# KiCad board e-verest.kicad_pcb (continued)
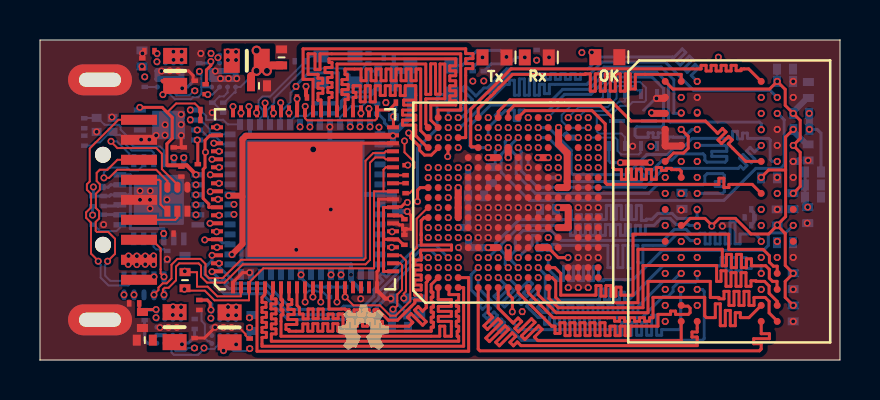
[diagram p0: board, top side]
## Routing (per net, layer and track width the routed paths; a pad name or vN(x,y) marks a point on that pad's centre or on a via; arc(x,y) is an arc through that point) (continued)
DRAM_DU5: length 20.1
  Top Layer w0.15: U2.F18 21.91,12.56 22.54,13.2 22.55,13.19 22.73,13.37 22.72,13.37 23.63,14.28 27.26,14.28 27.26,14.3 27.51,14.3 27.51,13.44 27.76,13.44 27.76,14.3 28.01,14.3 28.01,13.44 28.26,13.44 28.26,14.3 28.51,14.3 28.51,13.44 28.76,13.44 28.76,14.3 29.01,14.3 29.01,13.44 29.26,13.44 29.26,14.3 29.51,14.3 29.51,13.55 29.76,13.55 29.76,14.28 32.06,14.28 U1.A2
DRAM_DU6: length 20.1
  Bottom Layer w0.15: v1(36.86,13.13) 36.51,13.48 32.68,13.48 31.26,14.9 28.1,14.9 27.5,14.3 27.02,14.3 27.02,14.03 26.77,14.03 26.77,14.31 26.52,14.31 26.52,14.03 26.27,14.03 26.27,14.31 26.02,14.31 26.02,14.03 25.77,14.03 25.77,14.31 25.52,14.31 25.52,14.03 25.27,14.03 25.27,14.31 25.02,14.31 25.02,14.3 23.43,14.3 22.48,13.35 22.31,13.35 21.12,12.16 20.95,12.16 v1(20.91,12.12)
DRAM_DU7: length 20.1
  Bottom Layer w0.15: v1(32.86,13.93) 32.56,14.23 32.94,14.6 32.76,14.78 32.36,14.39 32.19,14.56 32.65,15.02 32.47,15.2 32.01,14.74 31.83,14.92 32.29,15.38 32.12,15.55 31.68,15.11 31.64,15.15 27.99,15.15 27.41,14.56 23.58,14.56 23.57,14.55 23.33,14.55 22.38,13.6 22.2,13.6 21.8,13.2 21.27,13.73 21.09,13.55 21.63,13.02 21.45,12.84 21.27,13.02 21.09,12.84 21.26,12.67 21.06,12.47 20.41,12.47 v1(20.41,12.12)
FT_BE0: length 18
  Top Layer w0.15: 10.86,3.62 U7.4 10.85,0.44 21.43,0.44 21.43,4.12 U2.D2
FT_BE1: length 18
  Top Layer w0.15: U2.D1 21.18,3.62 21.18,0.69 11.1,0.69 11.1,1.13 11.32,1.13 11.32,1.38 11.1,1.38 11.1,1.63 11.32,1.63 11.32,1.88 11.1,1.88 11.1,2.13 11.32,2.13 11.32,2.38 11.1,2.38 11.1,2.63 11.3,2.63 11.3,2.88 11.1,2.88 11.1,3.13 11.24,3.27 11.24,3.63 U7.5
FT_BE2: length 18
  Top Layer w0.15: U7.6 11.64,3.63 11.64,3.24 11.57,3.17 11.57,3.05 11.8,3.05 11.8,2.8 11.55,2.8 11.55,2.55 11.8,2.55 11.8,2.3 11.57,2.3 11.57,2.05 11.8,2.05 11.8,1.8 11.57,1.8 11.57,1.55 11.8,1.55 11.8,1.3 11.57,1.3 11.57,0.94 20.93,0.94 20.93,1.19 20.86,1.19 20.86,1.44 20.93,1.44 20.93,1.69 20.82,1.69 20.82,1.94 20.93,1.94 20.93,2.19 20.82,2.19 20.82,2.44 20.93,2.44 20.93,2.69 20.82,2.69 20.82,2.94 20.93,2.94 20.93,3.27 20.45,3.27 20.45,3.58 U2.C1
FT_BE3: length 18
  Top Layer w0.15: U2.B1 19.91,3.02 20.57,3.02 20.57,2.68 19.92,2.68 19.92,2.43 20.57,2.43 20.57,2.18 19.92,2.18 19.92,1.93 20.57,1.93 20.57,1.19 20.24,1.19 20.24,1.69 19.99,1.69 19.99,1.19 12.05,1.19 12.05,2.25 12.14,2.25 12.14,2.5 12.05,2.5 12.05,2.75 12.13,2.75 12.13,3 12.05,3 U7.7
FT_CLK: length 16.6
  Top Layer w0.15: U7.58 8.85,11.64
  InLayer2 (Signal) w0.15: v1(19.91,9.12) 19.41,8.62 18.19,8.62 17.74,8.18 17.74,7.51 17.08,7.51 16.41,6.83 14.1,6.83 13.84,7.09 13.9,7.14 13.72,7.32 13.49,7.09 13.32,7.27 13.56,7.51 13.38,7.69 13.14,7.45 12.96,7.62 13.21,7.87 13.03,8.04 12.79,7.8 12.61,7.98 12.85,8.22 12.68,8.4 12.61,8.33 11.55,9.38 11.21,9.38 8.94,11.64 v1(8.85,11.64)
FT_D0: length 16.2
  Top Layer w0.15: U2.C15 20.4,10.61 20.4,10.18 v1(20.38,10.17)
  InLayer3 (PWR) w0.15: 16.45,12.56 16.49,12.52 18.02,12.52 18.12,12.41 18.82,13.11 19,12.94 17.97,11.9 18.14,11.73 19.18,12.76 19.35,12.58 18.52,11.76 18.7,11.58 19.53,12.41 19.71,12.23 18.81,11.33 18.98,11.15 19.88,12.05 20.06,11.88 19.03,10.84 19.2,10.67 19.54,11 19.71,10.82 19.69,10.8 19.87,10.62 19.89,10.65 20.37,10.17 v1(20.38,10.17)
  vias: v1(16.45,12.56)
FT_D1: length 16.3
  Top Layer w0.15: 18.42,11.35 18.42,11.29 18.44,11.29 18.54,11.2 18.54,11.13 18.54,11.13 18.54,11.11 18.98,10.67 18.98,10.49 19.22,10.25 19.57,10.25 19.93,10.6
  InLayer3 (PWR) w0.15: v1(18.44,11.35) 18.74,11.05 18.74,9.3 17.29,9.3 17.29,9.59 16.9,9.59 16.9,9.84 18.04,9.84 18.04,10.09 16.9,10.09 16.9,10.34 18.44,10.34 18.44,10.59 16.9,10.59 16.9,10.84 17.3,10.84 17.3,11.09 17.29,11.09 17.29,12.21 16.21,12.21 16.08,12.34 v1(16.05,12.34)
FT_D2: length 18
  Top Layer w0.15: U2.A15 19.38,10.62 18.79,11.21 18.79,11.75 18.12,11.75 18.12,12 18.79,12 18.79,12.25 18.13,12.25 18.13,12.5 18.79,12.5 18.79,12.75 18.18,12.75 18.18,13 18.79,13 18.79,13.71 18.26,13.71 18.26,13.22 18.01,13.22 18.01,13.71 17.76,13.71 17.76,13.23 17.51,13.23 17.51,13.71 17.26,13.71 17.26,13.23 17.01,13.23 17.01,13.71 16.76,13.71 16.76,12.91 16.51,12.91 16.51,13.71 16.26,13.71 16.26,12.91 16.01,12.91 16.01,13.71 15.66,13.71 15.66,13.38 15.79,13.38 15.79,13.13 15.66,13.13 15.66,12.44 U7.42
FT_D3: length 18
  Top Layer w0.15: U2.A16 19.38,11.12 19.03,11.46 19.03,14.55 18.8,14.55 18.8,13.96 18.55,13.96 18.55,14.55 18.3,14.55 18.3,13.96 18.05,13.96 18.05,14.55 17.8,14.55 17.8,13.96 17.55,13.96 17.55,14.55 17.3,14.55 17.3,13.96 17.05,13.96 17.05,14.55 16.8,14.55 16.8,13.96 16.55,13.96 16.55,14.55 16.3,14.55 16.3,13.96 16.05,13.96 16.05,14.55 15.25,14.55 15.25,14.27 15.37,14.27 15.37,14.02 15.1,14.02 15.1,13.77 15.41,13.77 15.41,13.52 15.1,13.52 15.1,13.27 15.41,13.27 15.41,13.02 15.25,13.02 U7.43
FT_D4: length 18
  Top Layer w0.15: U7.44 14.85,14.8 19.29,14.8 19.29,13.28 19.53,13.28 19.53,14.81 19.78,14.81 19.78,13.29 20,13.29 20,14.8 20.24,14.8 20.24,13.06 19.29,13.06 19.29,11.79 19.41,11.67 U2.A17
FT_D5: length 18
  Top Layer w0.15: U7.45 14.45,13.13 14.6,13.13 14.6,13.38 14.39,13.38 14.39,13.63 14.6,13.63 14.6,13.88 14.38,13.88 14.38,14.13 14.6,14.13 14.6,14.38 14.25,14.38 14.25,14.63 14.6,14.63 14.6,14.88 14.45,14.88 14.45,15.06 20.78,15.06 20.78,14.71 20.49,14.71 20.49,14.46 20.78,14.46 20.78,14.21 20.49,14.21 20.49,13.96 20.78,13.96 20.78,13.71 20.49,13.71 20.49,13.46 20.78,13.46 20.78,13.21 20.49,13.21 20.49,12.96 20.78,12.96 20.78,12.75 19.54,12.75 19.54,11.99 U2.B17
FT_D6: length 18
  Top Layer w0.15: U7.46 14.05,13 13.9,13 13.9,13.01 13.9,13.33 14.14,13.33 14.14,13.58 13.9,13.58 13.9,13.83 14.13,13.83 14.13,14.08 13.9,14.08 13.9,14.28 13.4,14.28 13.4,15.31 13.75,15.31 13.75,14.52 14,14.52 14,15.31 21.03,15.31 21.03,12.5 19.9,12.5 19.9,12.14 19.9,12.13
FT_D7: length 18.1
  Top Layer w0.15: 13.65,12.36 U7.47 13.65,14.03 13.15,14.03 13.15,15.56 21.28,15.56 21.28,15.32 21.65,15.32 21.65,15.07 21.28,15.07 21.28,14.82 21.64,14.82 21.64,14.57 21.28,14.57 21.28,11.12 U2.D16
FT_D8: length 16.5
  InLayer2 (Signal) w0.15: v1(12.45,12.36) 12.68,12.13 13.02,12.13 13.02,12.33 13.26,12.33 13.26,12 13.51,12 13.51,12.44 13.76,12.44 13.76,11.88 14.01,11.88 14.01,12.91 14.26,12.91 14.26,12.13 14.51,12.13 14.51,12.91 14.76,12.91 14.76,12.01 15.01,12.01 15.01,12.89 15.26,12.89 15.26,12.13 15.65,12.13 15.66,12.14 15.66,12.96 16.89,12.96 16.89,12.43 17.51,11.82 17.84,11.82 17.98,11.96 20.07,11.96 v1(20.41,11.62)
FT_D9: length 16
  InLayer2 (Signal) w0.15: 12.05,12.67 12.05,11.19 14.27,11.19 14.27,10.87 14.52,10.87 14.52,11.26 14.77,11.26 14.77,10.63 15.02,10.63 15.02,11.26 15.27,11.26 15.27,10.63 15.52,10.63 15.52,11.26 15.77,11.26 15.77,10.63 16.02,10.63 16.02,11.26 16.27,11.26 16.27,10.63 16.52,10.63 16.52,11.19 17.14,11.19 17.51,11.56 17.93,11.56 18.09,11.71 19.81,11.71 20.4,11.12 v1(20.41,11.12)
  vias: v1(12.03,12.86)
FT_D10: length 16.5
  InLayer2 (Signal) w0.15: v1(20.91,10.62) 20.78,10.75 18.52,10.75 18.37,10.6 17.97,10.6 17.5,10.13 17.37,10.13 17.37,9.93 17.13,9.93 17.13,10.43 16.88,10.43 16.88,9.95 16.63,9.95 16.63,10.38 16.38,10.38 16.38,9.95 16.13,9.95 16.13,10.38 15.88,10.38 15.88,9.95 15.63,9.95 15.63,10.38 15.38,10.38 15.38,9.95 15.13,9.95 15.13,10.38 14.88,10.38 14.88,9.95 14.63,9.95 14.63,10.34 14.38,10.34 14.38,10.04 14.13,10.04 14.13,10.13 13.45,10.13 12.7,10.88 12.01,10.88 11.67,11.21 11.67,12.34
  vias: v1(11.67,12.35)
FT_D11: length 16
  InLayer2 (Signal) w0.15: v1(20.91,9.62) 20.91,10.1 20.52,10.5 18.62,10.5 18.48,10.35 18.15,10.35 17.21,9.42 16.85,9.42 16.85,9.7 16.6,9.7 16.6,9.42 16.35,9.42 16.35,9.7 16.1,9.7 16.1,9.42 15.85,9.42 15.85,9.7 15.6,9.7 15.6,9.42 15.35,9.42 15.35,9.7 15.1,9.7 15.1,9.42 14.85,9.42 14.85,9.7 14.6,9.7 14.6,9.42 14.35,9.42 14.35,9.53 14.1,9.53 14.1,9.42 13.81,9.42 12.6,10.63 11.77,10.63 11.25,11.15 11.25,12.67
  vias: v1(11.25,12.85)
FT_D12: length 16.4
  InLayer2 (Signal) w0.15: 10.85,12.36 10.82,12.34 10.82,11.22 11.67,10.38 12.47,10.38 14.01,8.84 14.2,8.84 14.2,9.13 14.45,9.13 14.45,8.75 14.7,8.75 14.7,9.17 14.95,9.17 14.95,8.81 15.2,8.81 15.2,9.17 15.45,9.17 15.45,8.81 15.7,8.81 15.7,9.17 15.95,9.17 15.95,8.81 16.2,8.81 16.2,9.17 16.45,9.17 16.45,8.7 16.7,8.7 16.7,8.84 16.99,8.84 18.25,10.1 18.58,10.1 18.73,10.24 19.78,10.24 20.4,9.62 v1(20.41,9.62)
  vias: v1(10.82,12.36)
FT_D13: length 16.3
  InLayer2 (Signal) w0.15: v1(10.45,12.67) 10.45,11.24 11.57,10.13 12.35,10.13 14.3,8.18 14.5,8.18 14.5,8.5 14.75,8.5 14.75,8.18 15,8.18 15,8.56 15.24,8.56 15.24,8.18 15.49,8.18 15.49,8.56 15.74,8.56 15.74,8.18 15.99,8.18 15.99,8.56 16.24,8.56 16.24,8.14 16.49,8.14 16.49,8.18 16.68,8.18 17.9,9.4 18.6,9.4 18.74,9.53 18.74,9.91 18.83,9.99 19.53,9.99 19.9,9.62 v1(19.91,9.62)
FT_D14: length 16.5
  InLayer2 (Signal) w0.15: v1(10.05,12.36) 10.04,12.35 10.04,11.25 11.42,9.88 12.25,9.88 14.24,7.89 14.9,7.89 14.9,7.35 15.15,7.35 15.15,7.93 15.4,7.93 15.4,7.33 15.65,7.33 15.65,7.93 15.9,7.93 15.9,7.33 16.15,7.33 16.15,7.89 16.4,7.89 16.4,7.78 16.65,7.78 16.65,7.89 16.75,7.89 18,9.15 19.02,9.15 19.02,9.61 19.4,9.61 v1(19.41,9.62)
FT_D15: length 16.4
  InLayer2 (Signal) w0.15: v1(19.41,9.12) 19.19,8.9 18.11,8.9 17.49,8.28 17.49,7.76 16.98,7.76 16.31,7.08 14.47,7.08 13.49,8.07 13.42,8 13.25,8.18 13.42,8.35 13.24,8.53 13.07,8.36 12.89,8.53 13.07,8.71 12.89,8.88 12.65,8.64 12.47,8.82 12.71,9.06 12.54,9.24 12.29,8.99 12.12,9.17 12.35,9.41 12.18,9.59 12.07,9.48 11.93,9.63 11.31,9.63 9.65,11.29 v1(9.65,12.67)
FT_D16: length 16.5
  InLayer2 (Signal) w0.15: v1(8.69,10.84) 9.39,10.84 11.35,8.88 11.53,9.05 11.7,8.87 11.53,8.7 11.71,8.53 11.88,8.7 12.06,8.52 11.89,8.35 12.06,8.17 12.22,8.33 12.4,8.15 12.24,7.99 13.68,6.56 16.49,6.56 17.18,7.26 17.99,7.26 17.99,8.07 18.29,8.37 19.66,8.37 v1(20.41,9.12)
FT_D17: length 16.5
  InLayer2 (Signal) w0.15: v1(20.91,6.12) 21.26,6.47 21.26,6.78 20.75,7.29 20.89,7.44 20.71,7.61 20.56,7.46 20.39,7.64 20.39,7.64 20.02,8.02 20.01,8.02 20,8.02 19.57,8.02 18.56,7.01 17.29,7.01 16.54,6.26 13.62,6.26 9.44,10.44 v1(8.95,10.44)
FT_D18: length 16.4
  InLayer2 (Signal) w0.15: v1(8.6,10.04) 9.49,10.04 13.53,6 13.7,6 13.7,6.01 13.95,6.01 13.95,5.88 14.2,5.88 14.2,6.01 14.45,6.01 14.45,5.88 14.7,5.88 14.7,6.01 14.95,6.01 14.95,5.88 15.2,5.88 15.2,6.01 15.45,6.01 15.45,5.88 15.7,5.88 15.7,6.01 15.95,6.01 15.95,5.88 16.2,5.88 16.2,6.01 16.45,6.01 16.45,6 16.64,6 16.95,6.32 17.02,6.25 17.19,6.43 17.13,6.49 17.39,6.76 17.63,6.76 17.63,6.74 17.88,6.74 17.88,6.76 18.13,6.76 18.13,6.44 18.38,6.44 18.38,6.76 18.7,6.76 19.19,7.24 19.79,7.24 v1(20.41,6.62)
FT_D19: length 16.6
  InLayer2 (Signal) w0.15: v1(19.91,6.62) 19.56,6.97 19.27,6.97 18.36,6.07 18.25,6.18 18.07,6.01 18.19,5.89 18.01,5.72 18.01,5.29 17.74,5.29 17.74,5.31 17.49,5.31 17.49,5.29 17.24,5.29 17.24,6 16.99,6 16.99,5.29 16.74,5.29 16.74,5.75 16.49,5.75 16.49,5.29 16.45,5.29 16.11,5.63 13.54,5.63 9.54,9.63 v1(8.95,9.63)
FT_D20: length 16.3
  InLayer2 (Signal) w0.15: v1(8.51,9.26) 8.57,9.26 8.6,9.23 9.58,9.23 10.78,8.04 10.62,7.88 10.8,7.71 10.95,7.86 11.13,7.69 10.97,7.53 11.15,7.35 11.31,7.51 11.48,7.33 11.33,7.18 11.5,7 11.66,7.16 11.84,6.98 11.68,6.82 11.86,6.65 12.02,6.8 12.19,6.63 12.03,6.47 12.21,6.29 12.37,6.45 12.55,6.27 12.39,6.12 12.57,5.94 12.72,6.1 13.43,5.38 16,5.38 16.35,5.04 18.31,5.04 18.31,5.58 19.07,6.33 19.12,6.33 v1(19.41,6.62)
FT_D21: length 16.5
  InLayer2 (Signal) w0.15: 8.95,8.84 9.63,8.84 10.27,8.19 10.27,7.52 10.34,7.45 10.52,7.63 10.7,7.45 10.52,7.27 10.7,7.1 10.88,7.27 11.05,7.1 10.88,6.92 11.05,6.74 11.23,6.92 11.41,6.74 11.23,6.57 11.41,6.39 11.58,6.57 11.76,6.39 11.58,6.21 11.76,6.03 11.94,6.21 12.11,6.04 11.92,5.84 12.09,5.66 12.27,5.84 12.44,5.66 12.29,5.5 12.66,5.13 13.19,5.13 15.9,5.13 16.26,4.77 18.56,4.77 18.56,5.47 19.17,6.08 19.37,6.08 v1(19.41,6.12)
  vias: v1(8.95,8.83)
FT_D22: length 16.2
  InLayer2 (Signal) w0.15: 19.91,6.09 19.91,5.77 19.21,5.77 18.81,5.37 18.81,4.52 16.15,4.52 15.79,4.88 12.52,4.88 11.38,6.02 11.4,6.04 11.23,6.21 11.07,6.06 10.89,6.24 11.05,6.39 10.87,6.57 10.72,6.41 10.54,6.59 10.7,6.75 10.52,6.92 10.36,6.77 10.19,6.94 10.34,7.1 10.16,7.28 10.14,7.26 10.02,7.38 10.02,8.09 9.57,8.54 9.29,8.54 9.18,8.43 8.52,8.43 v1(8.51,8.41)
  vias: v1(19.91,6.12)
FT_D23: length 16.5
  InLayer2 (Signal) w0.15: 8.91,8.06 8.91,8.03 9.31,7.62 9.31,7.21 9.9,6.62 10.15,6.62 10.2,6.58 11.16,5.61 11.3,5.75 11.48,5.57 11.34,5.44 11.52,5.26 11.65,5.39 11.83,5.22 11.69,5.08 11.87,4.9 12.01,5.04 12.18,4.86 11.96,4.64 12.14,4.46 12.31,4.63 15.69,4.63 16.05,4.27 19.06,4.27 19.06,5.26 19.27,5.47 20.41,5.47 20.41,6.09
  vias: v1(8.9,8.03) v1(20.41,6.12)
FT_D24: length 16.5
  Top Layer w0.15: 19.38,4.62 v1(19.41,4.62)
  InLayer2 (Signal) w0.15: v1(8.95,7.23) 8.95,7.21 9.79,6.37 10.05,6.37 11.64,4.78 11.64,4.11 11.82,3.93 12.19,3.93 12.19,3.91 12.44,3.91 12.44,4.38 12.69,4.38 12.69,3.91 12.94,3.91 12.94,3.94 13.19,3.94 13.19,3.91 13.44,3.91 13.44,4.38 13.69,4.38 13.69,3.91 13.94,3.91 13.94,4.38 14.19,4.38 14.19,3.91 14.44,3.91 14.44,3.94 14.69,3.94 14.69,3.93 14.94,3.93 14.94,3.94 15.19,3.94 15.19,3.93 15.44,3.93 15.44,3.94 15.69,3.94 15.69,3.91 15.94,3.91 15.94,4.02 16.19,4.02 16.19,3.91 16.44,3.91 16.44,4.02 16.69,4.02 16.69,3.91 16.94,3.91 16.94,3.93 19.41,3.93 v1(19.41,4.62)
FT_D25: length 16.3
  InLayer2 (Signal) w0.15: v1(20.41,4.62) 20.06,4.27 20.06,4.2 19.51,3.66 15.56,3.66 15.56,3.52 15.31,3.52 15.31,3.68 15.06,3.68 15.06,3.45 14.81,3.45 14.81,3.68 14.56,3.68 14.56,3.12 14.31,3.12 14.31,3.66 14.06,3.66 14.06,3.48 13.81,3.48 13.81,3.66 11.74,3.66 11.39,4 11.39,4.68 9.95,6.12 9.64,6.12 8.92,6.83 v1(8.5,6.83)
FT_D26: length 16.5
  InLayer2 (Signal) w0.15: 8.77,6.42 8.92,6.42 9.47,5.87 9.84,5.87 11.14,4.58 11.14,3.88 12.83,2.19 16.36,2.19 16.36,2.71 16.61,2.71 16.61,2.19 16.86,2.19 16.86,2.63 17.11,2.63 17.11,2.19 18.48,2.19 v1(20.41,4.12)
  vias: v1(8.83,6.41)
FT_D27: length 16.8
  Top Layer w0.15: v1(8.24,6.01) 8.25,6.02 8.84,6.02 U7.72
  InLayer2 (Signal) w0.15: v1(20.91,4.62) 20.91,4.13 18.72,1.94 12.71,1.94 10.89,3.76 10.89,4.47 9.74,5.62 9.35,5.62 8.96,6.01 8.24,6.01 v1(8.24,6.01)
FT_D28: length 16.6
  InLayer2 (Signal) w0.15: v1(8.85,5.63) 8.99,5.49 8.99,5.29 9.66,4.62 9.76,4.72 9.94,4.54 9.84,4.44 10.19,4.09 10.19,4.07 10.53,3.74 10.54,3.74 12.59,1.69 18.83,1.69 21.26,4.12 21.26,4.76 20.91,5.11 v1(20.91,5.12)
FT_D29: length 14.7
  Bottom Layer w0.15: v1(19.41,5.12) 19,5.12 17.19,3.31 17.19,2.98 16.23,2.01 12.41,2.01 11.11,3.31 9.21,3.31 8.25,4.27 8.25,4.63 8.6,4.98 v1(8.6,5.23)
FT_D30: length 14.8
  Bottom Layer w0.15: 8.95,4.75 8.95,4.66 9.78,3.83 11.3,3.83 12.6,2.53 15.01,2.53 15.19,2.69 16.2,2.69 16.69,3.19 16.69,3.52 17.14,3.97 16.95,4.17 17.13,4.35 17.32,4.15 18.89,5.72 19.81,5.72 v1(20.41,5.12)
  vias: v1(8.95,4.83)
FT_D31: length 14.7
  Bottom Layer w0.15: v1(19.91,5.12) 19.56,5.47 18.99,5.47 16.94,3.42 16.94,3.08 16.12,2.26 15.83,2.26 15.83,2.41 15.58,2.41 15.58,2.26 12.51,2.26 11.21,3.56 9.46,3.56 9.25,3.77 9.37,3.89 9.19,4.06 9,3.88 8.83,4.05 8.9,4.12 v1(8.6,4.42)
FT_OE: length 18
  Top Layer w0.15: U7.13 14.45,2.55 15.25,2.55 15.29,2.51 15.46,2.51 15.46,2.27 15.71,2.27 15.71,2.51 15.96,2.51 15.96,2.25 16.21,2.25 16.21,2.51 16.46,2.51 16.46,2.25 16.71,2.25 16.71,2.51 16.9,2.51 17.42,1.99 17.87,1.99 18.74,2.85 18.74,3 19.06,3 19.06,3.25 18.74,3.25 18.74,3.5 19.06,3.5 19.06,3.75 18.74,3.75 18.74,4 19.06,4 19.06,4.25 18.74,4.25 18.74,4.5 19.06,4.5 19.06,4.75 18.74,4.75 18.74,5 19.06,5 19.06,5.25 19.03,5.25 19.03,5.5 20.58,5.5 20.58,5.75 19.06,5.75 19.06,6 19.06,6 19.06,6.25 19.06,6.25 19.06,6.97 19.21,7.12 U2.A8
FT_RD: length 16.3
  Top Layer w0.15: v1(14.04,2.9) 14.04,2.91 14.04,3.63 U7.12
  InLayer3 (PWR) w0.15: v1(14.04,2.9) 14.04,3.5 16.42,3.5 16.42,3.13 16.67,3.13 16.67,3.5 16.92,3.5 16.92,3.22 17.17,3.22 17.17,3.5 19.08,3.5 19.08,3.77 18.49,3.77 18.49,4.02 20.08,4.02 20.08,4.27 18.87,4.27 18.87,4.52 19.08,4.52 19.08,4.77 18.95,4.77 18.95,5.02 19.08,5.02 19.08,6.75 19.45,7.12 v1(20.41,7.12)
FT_RST: length 9.5
  Top Layer w0.1: 19.39,7.62 18.83,7.06 18.83,5.6 18.51,5.28 18.51,2.95 17.78,2.21 17.51,2.21 16.99,2.73 15.67,2.73 v1(15.25,3.15) 15.25,3.15
  Top Layer w0.15: U7.15 15.25,3.63 15.25,3.15 ; 19.39,7.62 U2.A9
FT_RXF: length 17.8
  Top Layer w0.15: U2.A2 19.37,4.08 19.37,3.94 19.31,3.87 19.31,2.62 19.13,2.45 18.91,2.67 18.73,2.49 19.31,1.92 19.13,1.74 18.56,2.32 18.38,2.14 18.64,1.88 18.45,1.69 17.13,1.69 17.13,1.93 16.88,1.93 16.88,1.69 16.63,1.69 16.63,2 16.38,2 16.38,1.69 16.13,1.69 16.13,2 15.88,2 15.88,1.69 15.63,1.69 15.63,2 15.38,2 15.38,1.69 15.15,1.69 15.15,2.3 14.9,2.3 14.9,2.07 14.65,2.07 14.65,2.3 14.4,2.3 14.4,2.07 14.15,2.07 14.15,2.55 13.9,2.55 13.9,2.07 13.65,2.07 13.65,2.55 13.4,2.55 13.4,2.06 13.15,2.06 13.15,2.3 12.97,2.3 12.97,2.62 12.85,2.73 U7.9
FT_TXE: length 18
  Top Layer w0.15: U2.B2 19.56,3.77 19.56,3.39 19.64,3.39 19.64,3.14 19.56,3.14 19.56,2.89 19.67,2.89 19.67,2.64 19.56,2.64 19.56,2.39 19.67,2.39 19.67,2.14 19.56,2.14 19.56,1.89 19.67,1.89 19.67,1.64 19.56,1.64 19.56,1.44 14.89,1.44 14.89,1.82 14.64,1.82 14.64,1.44 14.39,1.44 14.39,1.82 14.14,1.82 14.14,1.44 13.89,1.44 13.89,1.82 13.64,1.82 13.64,1.44 13.39,1.44 13.39,1.81 13.14,1.81 13.14,1.44 12.45,1.44 12.45,1.53 12.3,1.53 12.3,1.78 12.84,1.78 12.84,2.03 12.39,2.03 12.39,2.28 12.71,2.28 12.71,2.53 12.39,2.53 12.39,2.78 12.59,2.78 12.59,3.03 12.45,3.03 U7.8
FT_WK: length 0
  Top Layer w0.15: 15.65,3.63 U7.16
FT_WR: length 16.2
  Top Layer w0.15: v1(13.64,3.15) 13.65,3.15 13.65,3.63 U7.11
  InLayer3 (PWR) w0.15: v1(19.91,7.62) 19.6,7.62 18.82,6.84 18.82,5.24 18.41,4.83 18.64,4.61 18.46,4.43 18.24,4.66 18.06,4.48 18.33,4.21 18.15,4.03 17.85,4.34 17.67,4.16 17.71,4.12 17.38,3.8 17.36,3.8 17.36,4.33 17.11,4.33 17.11,3.75 16.86,3.75 16.86,4.33 16.61,4.33 16.61,3.75 16.36,3.75 16.36,4.33 16.11,4.33 16.11,3.75 15.86,3.75 15.86,3.93 15.61,3.93 15.61,3.75 15.36,3.75 15.36,3.91 15.11,3.91 15.11,3.75 14.86,3.75 14.86,3.91 14.61,3.91 14.61,3.75 14.36,3.75 14.36,3.95 14.11,3.95 14.11,3.8 13.64,3.8 v1(13.64,3.15)
JTAG_TCK: length 18.7
  InLayer1 (GND) w0.1: v1(15.51,11.66) 15.87,12.02 16.47,12.02 16.77,12.32 16.77,12.7 16.77,12.7 16.77,13.12 17.06,13.42 17.62,13.42 17.82,13.22 17.82,12.9 27.65,12.9 28.17,12.39 28.17,11.35 28.61,10.91 28.61,10.17 28.52,10.08 28.52,9.77 28.04,9.3 27.74,9.3 v1(27.41,9.62)
JTAG_TDI: length 21.6
  InLayer1 (GND) w0.1: v1(26.91,9.62) 26.91,9.61 27.42,9.09 28.13,9.09 28.72,9.69 28.72,9.99 28.81,10.08 28.81,10.99 28.38,11.42 28.38,12.46 27.74,13.1 18.02,13.1 18.02,13.3 17.71,13.62 16.98,13.62 16.57,13.21 16.57,12.89 16.31,12.89 16.14,12.71 15.87,12.71 15.7,12.55 15.7,12.31 15.18,11.79 15.18,11.53 15.38,11.33 15.89,11.33 16,11.44 v1(16,11.66)
JTAG_TDO: length 15
  InLayer1 (GND) w0.1: v1(27.91,10.12) 28.21,10.42 28.21,10.74 27.77,11.19 27.77,12.22 27.5,12.49 17.47,12.49 17.27,12.3 17.27,11.51 17.08,11.31 16.69,11.31 16.5,11.5 v1(16.5,11.66)
JTAG_TMS: length 16.6
  InLayer1 (GND) w0.1: v1(16.95,11.64) 16.97,11.66 16.97,12.78 16.97,12.79 16.97,13.04 17.15,13.22 17.54,13.22 17.62,13.14 17.62,12.7 27.57,12.7 27.97,12.3 27.97,11.27 28.41,10.83 28.41,10.34 28.29,10.22 28.29,10.01 v1(27.91,9.62)
  Bottom Layer w0.15: U8.15 16.95,11.33 v1(16.95,11.64)
NetC1_2: length 38.2
  Top Layer w0.1: U7.33 17.29,9.63 17.17,9.52 17.17,8.44 ; FB4.1 7.37,3.47 8.24,3.47 8.72,2.99 10.45,2.99 U7.3 ; 17.17,8.44 16.7,8.44 16.7,4.59 11.17,4.59 10.47,3.89 10.47,3.66 ; 17.17,8.44 U7.30 ; U7.39 16.85,12.07 16.76,11.98 13.35,11.98 13.25,12.09 U7.48
  Top Layer w0.15: U7.3 10.47,3.66 ; U7.33 17.65,9.63 ; U7.39 16.92,12.5 17.45,12.5 17.79,12.85 C1.2
  InLayer2 (Signal) w0.15: v1(13.26,12.68) 12.71,12.68 12.18,13.21 10.41,13.21 10.23,13.02 9.51,13.02 9.03,12.55 9.03,11.99 8.25,11.99 8.25,10.85 7.92,10.52 7.92,10.28 8.15,10.06 8.15,7.03 7.88,6.76 7.88,3.8 7.62,3.54 v1(7.22,3.54)
NetC3_2: length 12.5
  Top Layer w0.15: 17.17,6.03 17.17,4.43 17.64,4.43 U7.20 ; 17.17,6.03 U7.24 17.67,6.01 17.92,6.01 18.12,5.81 18.12,5.81 18.17,5.76 C74.2 ; 17.17,6.03 17.17,7.62 17.64,7.62 U7.28 17.67,7.66 18.07,7.66 18.32,7.91 18.37,7.91 ; FB3.2 17.67,11.66 17.67,11.66 U7.38
  InLayer4 (GND) w0.15: FB3.2 17.67,11.72 17.32,11.37 17.32,8.96 18.37,7.91
  Bottom Layer w0.15: C3.2 17.8,12.5 17.66,12.36 17.66,12.03 17.67,12.04 17.67,12.05 FB3.2
  vias: v1(17.67,12.16) v1(18.37,7.88)
NetC6_2: length 8.6
  Bottom Layer w0.1: 12.8,13.63 12.52,13.35 12.52,12.89 12.03,12.4 12.03,11.81 12.02,11.8
  Bottom Layer w0.15: FB2.1 16.89,14.44 16.38,14.44 16.38,13.41 16.2,13.41 16.2,13.4 14.92,13.4 14.92,14.35 13.42,14.35 12.8,13.73 v1(12.8,13.68) 12.8,13.63 ; U8.5 12.02,11.8
NetC8_2: length 14.9
  Bottom Layer w0.2: 10.07,4.79 10.07,11.09 10.19,11.2 10.25,11.2 10.25,11.26 10.5,11.26 U8.2 ; U8.43 15.55,4.78 U8.31 v2(15.55,4.26) 15.55,3.98 15.97,3.56 16.07,3.56
NetC9_2: length 4.2
  Bottom Layer w0.15: U8.9 14.08,11.86 14.08,12.24 14.17,12.33 C9.2 14.22,12.33 C10.2 14.75,12.33 15.07,12.65 15.07,12.94 15.28,13.15 16.34,13.15 16.35,13.16 16.48,13.16 16.63,13.3 16.63,13.44 FB1.1
NetC12_1: length 1.1
  Bottom Layer w0.1: 6.35,5.49 6.24,5.49 6.2,5.53 5.81,5.53 5.68,5.66 5.68,6.05
  Bottom Layer w0.15: 5.68,6.05 U9.10
NetC13_1:
  vias: v1(6.7,10.11)
NetC33_2: length 0.9
  Bottom Layer w0.15: R3.2 35.57,7.48 35.69,7.36 35.69,7.17 C33.2 35.69,7.09 35.69,6.9 35.57,6.78 R4.1
NetC40_1: length 4.2
  Top Layer w0.1: FB4.2 7.85,4.39 7.85,3.67 8.38,3.67 8.86,3.19 10.04,3.19 10.04,3.63
  Top Layer w0.15: 10.04,3.63 U7.2
  vias: v1(7.24,4.44)
NetC54_1: length 5.4
  Bottom Layer w0.1: X1.1 13.52,15.18 11.51,13.17 11.12,13.17 10.93,12.98 10.93,12.71 11.15,12.49 11.15,12.23 11,12.08 U8.3
NetC68_2: length 7.8
  Bottom Layer w0.1: U8.4 11.4,11.88 11.4,12.17 11.35,12.22 11.35,12.48 11.71,12.84 11.71,13.08 13.21,14.58 15.15,14.58 15.48,14.25 15.48,14.1 15.7,13.88 ; 16.37,14.83 16.05,14.51 16.05,14.1
  Bottom Layer w0.15: 16.05,14.1 15.83,13.88 X1.3 ; 16.37,14.83 C68.2
NetC69_2: length 5.4
  Bottom Layer w0.1: U9.22 6.19,10.49 6,10.67 4.67,10.67 4.54,10.8 4.54,11.01 4.03,11.52 4.03,11.67 3.94,11.76 3.23,11.76 2.88,12.11 X2.3 ; 2.22,12.1 2.82,12.1
  Bottom Layer w0.15: C69.2 2.22,12.1 ; 2.82,12.1 X2.3
NetC70_1: length 3.5
  Top Layer w0.1: 17.69,2.54 17.86,2.71 17.86,3.28 18.1,3.51 18.1,4.75 18.01,4.83 U7.21
  Bottom Layer w0.15: X3.1 17.65,2.28 17.65,1.64 17.65,1.64
  vias: v1(17.65,2.54)
NetC71_1: length 3.2
  Top Layer w0.1: U7.22 18.04,5.24 18.3,4.97 18.3,3.43 18.19,3.32 18.19,3.09
  Bottom Layer w0.15: 18.36,3.08 18.89,3.08
  vias: v1(18.19,3.09)
NetC72_2: length 4.7
  Bottom Layer w0.1: U9.21 5.69,10.36 5.58,10.47 4.59,10.47 4.31,10.75 4.31,10.95 4,11.26 3.78,11.26 X2.1 ; C72.2 2.61,10.72 2.77,10.88 3,10.88 3.52,11.41
  Bottom Layer w0.15: 3.52,11.41 X2.1
NetDS1_1:
  vias: v1(27.59,15.38)
NetDS2_1: length 1
  Bottom Layer w0.15: v1(22.12,15.13) 22.12,15.11 21.65,14.63 21.65,14.48 21.69,14.44 R44.1
NetDS3_1: length 2.3
  Bottom Layer w0.15: v1(24.24,15.13) 23.79,15.13 23.47,14.8 22.56,14.8 R40.1
NetL1_1:
  vias: v1(9.39,15.41) v1(9.4,15) v1(9.8,15.41) v1(9.8,15)
NetL2_1:
  vias: v1(6.67,15.42) v1(6.68,15.01) v1(7.08,15.42) v1(7.08,15.01)
NetL3_1:
  vias: v1(6.64,2.25) v1(6.65,2.65) v1(7.05,2.24) v1(7.05,2.64)
NetL4_1:
  vias: v1(9.4,2.65) v1(9.4,2.24) v1(9.81,2.64) v1(9.8,2.24)
NetR5_1: length 2.5
  Bottom Layer w0.1: U8.1 9.39,11.78 9.16,12.01 8.31,12.01 8.31,12.2 8.01,12.5 U12.1
  vias: v1(7.51,12.5)
NetR6_1: length 2.4
  Bottom Layer w0.1: 7.51,12 7.51,12 8.02,12 8.48,11.54 8.48,11.35 8.49,11.34 9,11.34 9.07,11.28 9.37,11.28
  Bottom Layer w0.15: 9.37,11.28 U8.56
  vias: v1(7.51,12.01)
NetR29_1: length 1.9
  Bottom Layer w0.1: v1(7.86,11.5) 8.05,11.5 8.41,11.14 8.81,11.14 9.17,10.78 U8.55
NetR29_2: length 1.2
  Top Layer w0.15: R30.1 7.89,11
  vias: v1(7.86,11)
NetR32_1: length 0.8
  Bottom Layer w0.1: 8.98,13.63 8.63,13.27 v1(8.39,13.27)
  Bottom Layer w0.15: 8.98,13.63 U11.A2
NetR33_1: length 2
  Bottom Layer w0.1: 9.11,12.37 8.95,12.53 8.95,12.58 8.66,12.87 ; U11.A3 9.38,13.37 9.19,13.18 8.97,13.18 8.66,12.87 ; 8.66,12.87 R34.2
  Bottom Layer w0.15: 9.11,12.37 R33.1
NetR35_2: length 0.6
  Bottom Layer w0.1: 5.24,13.65 U3.A1
NetR36_2: length 5.4
  InLayer4 (GND) w0.1: v1(27.09,15.37) 27.09,12.45 27.57,12.45 27.74,12.28 27.74,10.99 27.41,10.66 v1(27.41,10.62)
NetR37_1: length 1.5
  Bottom Layer w0.1: v1(7.74,13.46) 7.69,13.46 7.47,13.24 6.83,13.24 6.67,13.39 U3.A3
NetR39_2: length 1.7
  Bottom Layer w0.15: U4.A1 5.38,0.84 5.23,0.99 R39.2
NetR41_1: length 1.4
  Bottom Layer w0.1: v1(7.72,0.6) 7.41,0.6 7.27,0.46 6.77,0.46 6.77,0.67 6.64,0.8 U4.A3
NetR43_2: length 2
  Bottom Layer w0.1: U5.A1 8.48,0.94 8.4,0.94 8.24,1.1 8.24,1.79 8.08,1.95 8.08,2.43 8.02,2.49 R43.2
NetR45_1: length 1.4
  Bottom Layer w0.1: 10.44,0.57 10.32,0.45 9.67,0.45 9.39,0.73 U5.A3
  Bottom Layer w0.15: 10.44,0.57 v1(10.49,0.57)
NetR47_2: length 0.8
  Bottom Layer w0.15: U9.15 3.93,7.7 3.18,7.7 R47.2
NetR48_1: length 0.8
  Bottom Layer w0.15: R48.1 3.19,7.27 3.98,7.27 U9.14
NetR49_2: length 0.9
  Bottom Layer w0.15: U9.17 3.53,8.76 3.41,8.64 3.19,8.64 3.18,8.63
NetR50_1: length 1.7
  Bottom Layer w0.1: R50.1 2.68,6.77 3,6.44 3.82,6.44 3.99,6.61 U9.13
NetR52_2: length 1.5
  Bottom Layer w0.1: R52.2 13.51,12.33 13.38,12.2 12.79,12.2 12.5,11.92 U8.6
NetR53_2: length 2.5
  Top Layer w0.15: v1(13.26,2.9) 13.25,2.9 13.25,3.63 U7.10
  Bottom Layer w0.1: v1(13.26,2.9) 13.26,3.27 13.46,3.47 13.79,3.47 13.84,3.42 14.11,3.42 14.2,3.34 14.21,3.34 14.4,3.15
  Bottom Layer w0.15: 14.4,3.15 R53.2 ; v1(13.26,2.9) 13.26,2.9
NetR55_1: length 0.7
  Top Layer w0.15: U7.27 17.67,7.21 18.07,7.21 18.24,7.04 18.29,7.04
NetR56_2: length 2.6
  Bottom Layer w0.1: 16.82,12.84 16.63,12.84 16.58,12.89 16.3,12.89 16.1,12.69 15.55,12.69 15,12.14 U8.11
  Bottom Layer w0.15: 16.82,12.84 16.87,12.84
NetR57_2:
  vias: v1(7.19,10.11)
NetR58_1:
  vias: v1(36.86,5.93)
NetU2_A11: length 7.5
  Top Layer w0.15: U2.A11 19.01,8.62 18.88,8.48 18.88,7.94 18.89,7.93
  Bottom Layer w0.15: v1(18.87,7.93) 18.87,10.59 19.85,11.57 19.85,13.1 20.02,13.27 Y1.3
ODT: length 16.7
  InLayer2 (Signal) w0.15: v1(31.26,6.73) 30.3,5.77 29.07,5.77 29.07,6.21 28.82,6.21 28.82,5.73 28.57,5.73 28.57,6.36 28.32,6.36 28.32,5.73 28.07,5.73 28.07,6.36 27.82,6.36 27.82,5.73 27.57,5.73 27.57,6.36 27.32,6.36 27.32,5.73 27.07,5.73 27.07,6.36 26.82,6.36 26.82,5.73 26.57,5.73 26.57,6.36 26.32,6.36 26.32,5.77 23.77,5.77 23.57,5.97 23.27,5.97 22.91,5.61 v1(22.91,5.12)
POK_1.1V: length 24.9
  InLayer3 (PWR) w0.1: 7.97,14.43 7.97,13.74 8.07,13.65 8.07,11.86 8.01,11.8 7.74,11.8 7.53,11.6 7.53,10.41 6.58,10.41 6.37,10.2 6.37,9.92 6.67,9.61 6.67,6.79 6.87,6.6 6.87,3.33 7.45,2.75 7.45,1.6 6.77,0.92 6.77,0.65 7.14,0.29 7.89,0.29 v1(8.2,0.6)
  InLayer3 (PWR) w0.15: v1(7.97,14.43) 7.97,14.43
  Bottom Layer w0.1: R31.2 8.07,14.23 8.07,13.64 ; 8.24,0.56 8.72,0.56 8.97,0.81 8.99,0.81 ; 8.07,13.64 8.07,13.3 7.9,13.14 7.65,13.14 7.55,13.04 6.74,13.04 6.47,13.31 6.47,13.45 U3.A2 ; 8.07,13.64 8.57,13.64 ; v1(8.2,0.6) 8.22,0.58 7.9,0.26 6.69,0.26 6.57,0.38 6.57,0.52 6.36,0.73 6.36,0.73 6.25,0.84 U4.A2
  Bottom Layer w0.15: 8.57,13.64 U11.A1 ; 8.99,0.81 U5.A2
QSPI_D2: length 4.9
  Bottom Layer w0.1: U10.3 30.05,13.43 30,13.48 29.87,13.48 29.65,13.7 28.88,13.7 28.83,13.64 28.83,13.08 28.39,12.65 27.59,12.65 27.59,12.64 26.94,12.64 v1(26.41,12.12)
QSPI_D3: length 12.1
  Bottom Layer w0.1: v1(25.41,12.12) 26.35,13.06 28.06,13.06 28.15,13.15 28.15,13.57 28.48,13.9 30.01,13.9 30.21,13.7 30.3,13.61 30.3,12.99 30.21,12.9 29.63,12.9 29.44,12.71 29.01,12.71 28.56,12.25 27.9,12.25 27.84,12.19 27.84,11.43 27.95,11.32 29.07,11.32 29.25,11.14 U10.7
RAS#: length 20.2
  Bottom Layer w0.15: v1(32.85,7.54) 32.85,7.17 32.77,7.08 31.86,7.08 31.61,7.33 30.89,7.33 30.58,7.02 30.57,7.02 30.57,7.04 30.32,7.04 30.32,6.98 30.07,6.98 30.07,7.73 29.82,7.73 29.82,7.02 29.57,7.02 29.57,7.73 29.32,7.73 29.32,7.02 29.07,7.02 29.07,7.73 28.82,7.73 28.82,7.02 28.57,7.02 28.57,7.73 28.32,7.73 28.32,7.02 28.07,7.02 28.07,7.27 27.82,7.27 27.82,7.02 27.57,7.02 27.57,7.27 27.32,7.27 27.32,7.02 27.07,7.02 27.07,7.27 26.82,7.27 26.82,7.02 26.57,7.02 26.57,7.47 26.32,7.47 26.32,7.02 23.96,7.02 22.78,5.84 22.78,5.49 22.42,5.12 v1(22.41,5.12)
RESET#: length 15.9
  Top Layer w0.15: U1.T2 32.06,0.97 24.9,0.97 24.72,1.15 25.1,1.53 24.93,1.71 24.24,1.03 24.07,1.2 24.75,1.88 24.57,2.06 23.92,1.41 23.74,1.58 24.08,1.92 23.91,2.1 23.66,1.85 22.91,2.6 U2.H1
RID_N: length 18.9
  Top Layer w0.1: v1(6.2,3.26) 6.15,3.31 6.15,3.44 6.15,3.44 6.15,3.53 6.23,3.61 6.43,3.61 6.8,3.98 6.8,4.67 6.96,4.83 7.93,4.83 8.05,4.71 8.05,4.17 8.35,3.87 9.23,3.87 10.15,4.79 16.28,4.79 16.5,5 16.5,9.87 16.76,10.12 17.2,10.12 17.29,10.04 U7.34
RID_P: length 19.4
  Top Layer w0.1: U7.35 17.3,10.44 17.21,10.35 16.66,10.35 16.28,9.96 16.28,5.1 16.19,5.01 10.05,5.01 9.14,4.09 8.45,4.09 8.27,4.27 8.27,4.8 8.02,5.05 6.87,5.05 6.58,4.76 6.58,4.08 6.33,3.83 6.14,3.83 5.92,3.62 5.92,3.5 5.7,3.28 v1(5.7,3.26)
RxL: length 17.4
  InLayer3 (PWR) w0.1: 22.13,13.88 22.12,13.88 21.59,13.35 15.4,13.35 14.09,12.04 14.09,11.47 13.52,10.91 12.96,10.91 12.34,10.29 10.16,10.29 10.1,10.23 10.1,7.51 9.87,7.28 v1(9.7,7.28)
  Bottom Layer w0.15: 9.44,7.22 U8.48 9.37,7.28 9.3,7.2
  vias: v1(22.19,13.95)
SPI_MISO: length 3
  Bottom Layer w0.1: v1(26.91,12.12) 27.24,12.45 27.73,12.45 27.73,12.45 28.47,12.45 28.94,12.92 29.25,12.92 29.25,13.26
SPI_MOSI: length 4.4
  InLayer2 (Signal) w0.1: v1(30.55,10.68) 30.1,10.23 29.3,10.23 v1(27.41,12.12)
  Bottom Layer w0.15: U10.5 30.83,10.68 v1(30.55,10.68)
SPI_SCK: length 3.7
  Bottom Layer w0.1: v1(27.41,11.12) 28.76,11.12 28.88,11.01 28.88,10.46 29.06,10.28 29.95,10.28 30.03,10.36 30.03,10.68 U10.6
SPI_SS: length 4.8
  Bottom Layer w0.1: v1(27.41,11.62) 27.4,11.61 26.42,11.61 26.08,11.94 26.08,12.25 26.69,12.86 28.31,12.86 28.45,12.99 U10.1 28.42,13.27
SSRX_N: length 2.8
  Top Layer w0.1: K1.3 5.6,6.01 6.03,5.58 6.03,5.45 6.03,5.44 6.03,4.53 6.03,4.53 6.03,4.33 v1(6.2,4.16)
SSRX_P:
  vias: v1(5.7,4.16)
SSTX_N: length 12.1
  Top Layer w0.1: 2.91,4.96 2.55,5.32 2.55,6.87 2.31,7.11 2.31,7.38 2.55,7.63 2.55,8.31 2.34,8.52 2.34,8.78 2.48,8.92 2.48,10.57 3.92,12.01 K1.9
  Bottom Layer w0.1: FL1.2 4.7,4.01 4.42,3.73 3.43,3.73 3.03,4.12 3.03,4.76 2.91,4.88 v1(2.91,4.94)
SSTX_P: length 10
  Top Layer w0.1: K1.7 3.87,10.01 3.37,9.51 2.99,9.51 2.83,9.36 2.83,8.95 3,8.78 3,8.52 2.79,8.31 2.79,7.6 2.96,7.44 2.96,7.08 2.78,6.9 2.78,6.46 2.84,6.4 3.41,6.4 3.75,6.06 3.75,5.31 v1(3.38,4.94)
  Bottom Layer w0.1: v1(3.38,4.94) 3.38,4.88 3.26,4.76 3.26,4.21 3.51,3.96 4.2,3.96 FL1.1
TO_D_N: length 0.6
  Top Layer w0.1: 17.65,8.84 18.28,8.84
  Top Layer w0.15: 18.28,8.84 C5.2 ; U7.31 17.65,8.84
TO_D_P: length 0.6
  Top Layer w0.1: 17.65,9.24 18.28,9.24
  Top Layer w0.15: 18.28,9.24 C4.2 ; U7.32 17.65,9.24
TOD_N: length 22.7
  Top Layer w0.1: C5.1 18.28,8.34 18.48,8.34 18.65,8.52 18.65,9.55 18.72,9.61 18.72,9.9 18.22,10.38 v1(18.22,10.95)
  InLayer1 (GND) w0.1: v1(4.7,3.26) 4.7,3.26 4.56,3.39 4.56,3.48 4.7,3.61 6.76,3.61 7.01,3.86 9.22,3.86 14.44,9.09 18.63,9.09 19.08,9.54 19.08,10.34 18.89,10.53 18.34,10.53 18.22,10.65 v1(18.22,10.95)
  Bottom Layer w0.1: v1(4.7,3.26) 4.7,3.41
TOD_P: length 19
  InLayer1 (GND) w0.1: 18.37,9.76 v1(18.39,9.74) 18.4,9.76 18.4,10.19 18.52,10.31 18.8,10.31 18.86,10.25 18.86,9.64 18.53,9.31 14.35,9.31 9.12,4.08 6.91,4.08 6.66,3.83 4.6,3.83 4.34,3.57 4.34,3.39 4.2,3.26 v1(4.2,3.26)
TxL: length 16.2
  InLayer3 (PWR) w0.1: R44.2 21.27,13.57 15.33,13.57 13.89,12.13 13.89,11.59 13.41,11.11 12.88,11.11 12.26,10.49 9.96,10.49 9.9,10.43 9.9,7.99 v1(9.7,7.78)
  vias: v1(21.64,13.94)
U_N: length 6.6
  Top Layer w0.1: FL2.5 6.87,8.77 ; 6.87,8.77 6.09,9.55 6.09,10.32 5.81,10.6 3.87,10.6 3.54,10.92
  Bottom Layer w0.1: 3.5,10.92 3.51,10.93 3.85,10.93 4.46,10.31 4.46,9.96 U9.19
  vias: v1(3.55,10.94)
U_P: length 6.6
  Top Layer w0.1: FL2.6 6.37,8.95 6,9.31 6,9.32 5.81,9.51 3.86,9.51 3.46,9.11 v1(3.2,9.11)
  Bottom Layer w0.1: U9.20 5.19,9.77 4.91,9.48 4.5,9.48 4.37,9.62 3.43,9.62 3.2,9.38 v1(3.2,9.11)
UART_RX: length 8.9
  InLayer3 (PWR) w0.1: v1(20.41,8.62) 20,8.62 18.39,7.02 18.39,5.41 17.76,4.78 14.55,4.78 U8.33
  vias: v1(14.55,4.26)
UART_TX: length 8.1
  InLayer3 (PWR) w0.1: U8.32 15.05,4.28 15.05,4.55 15.06,4.56 17.82,4.56 18.59,5.33 18.59,6.94 19.78,8.12 v1(20.41,8.12)
  vias: v1(15.05,4.26)
USB_5V: length 19
  Top Layer w0.15: v1(8.55,2.51) 8.51,2.54 8.51,2.85 8.36,3 7.98,3 ; 5.22,2.51 5.23,2.52 ; v1(8.54,14.93) 8.54,14.72 8.32,14.5 8.32,13.83 R32.2 ; C20.1 4.96,2.5 5.09,2.37 5.24,2.52 v1(5.8,2.52) 5.79,2.52
  InLayer3 (PWR) w0.15: v1(4.43,5.2) 4.76,5.2 4.97,4.99 ; v1(5.8,2.12) 5.8,2.12
  InLayer3 (PWR) w0.4: 5.8,2.12 v1(5.8,2.52) 5.38,2.52 5.22,2.67 5.22,4.75 v1(5.26,4.79)
  InLayer3 (PWR) w0.5: v1(5.26,5.2) 5.26,5.2
  InLayer3 (PWR) w0.9: 6,12.55 5.33,11.89 4.81,11.89 4.27,11.36 4.27,7.5 5.26,6.51 5.26,5.2
  InLayer4 (GND) w0.15: v1(8.54,2.09) 8.55,2.09 ; 8.55,2.5 v1(8.55,2.51) 8.56,2.52
  InLayer4 (GND) w0.3: 8.55,2.09 8.55,2.5
  Bottom Layer w0.15: R31.1 7.96,14.84 8.57,14.84 ; R39.1 5.76,2.49 5.81,2.44 U4.E1 ; U5.E1 8.59,2.79 8.39,2.99 R43.1 ; 5.24,14.15 5.29,14.15 ; 5.81,14.85 U3.D1
  vias: v1(4.41,4.78) v1(4.84,5.2) v1(4.84,4.77) v1(5.24,14.16) v1(5.68,5.21) v1(5.68,4.78) v1(5.85,14.92) v1(5.85,15.32) v1(8.55,15.33) v1(8.9,15.12)
USBD_N: length 2.3
  Top Layer w0.1: FL2.2 6.87,7.11 6.77,7.01 K1.4
USBD_P: length 2.7
  Top Layer w0.1: FL2.1 6.03,7.78 6.03,8.94 5.96,9.01 K1.6
VTT_REF: length 36.5
  Top Layer w0.15: C37.1 23.62,3.09 23.41,3.3 U2.J1 ; v1(22.91,10.62) 22.91,10.63
  InLayer2 (Signal) w0.15: 31.28,7.91 35.24,7.91 35.75,8.42 36.28,8.42 36.78,7.92 37.25,7.92 ; 31.28,7.91 31.26,7.93 v1(31.26,8.33) ; 31.28,7.91 30.35,7.91 29.78,8.48 24.05,8.48 22.91,9.61 v1(22.91,10.62) ; v1(38.39,7.64) 38.11,7.92 37.25,7.92 ; v1(36.86,5.13) 37.25,5.52 37.25,7.92
  InLayer3 (PWR) w0.15: v1(23.61,2.41) 23.61,2.42 24.36,3.17 25.47,3.17 26.46,4.17 28.98,4.17 30.93,6.12 30.93,7.76 31.06,7.89 31.26,7.89 v1(31.26,8.33)
  Bottom Layer w0.15: v1(22.91,10.62) 22.91,10.57 22.76,10.42 22.76,9.75 22.72,9.71 22.72,9.71 ; R1.2 C35.1 38.25,7.77 38.37,7.64 v1(38.39,7.64)
WE#: length 20.2
  Bottom Layer w0.15: v1(23.91,5.12) 23.92,5.12 24.53,5.73 24.61,5.73 24.61,6.22 24.86,6.22 24.86,5.47 25.11,5.47 25.11,5.77 25.36,5.77 25.36,5.47 25.61,5.47 25.61,5.78 25.86,5.78 25.86,5.73 28.39,5.73 28.39,4.62 28.64,4.62 28.64,5.73 28.89,5.73 28.89,4.62 29.14,4.62 29.14,5.73 29.39,5.73 29.39,4.58 29.64,4.58 29.64,5.73 29.89,5.73 29.89,4.86 30.14,4.86 30.14,5.73 31.28,5.73 31.83,6.28 32.2,6.28 32.52,5.97 32.82,5.97 v1(32.86,5.93)

## Copper pours and planes (outline as drawn; the poured copper is in the pictures)
1.1V on Top Layer: 10.33,14.19 10.33,15.73 11.65,15.73 11.65,14.19
1.1V on InLayer3 (PWR): 10.33,14.16 10.33,16 20.87,16 20.87,14.16
1.1V on InLayer3 (PWR): 20.64,16 20.64,4.88 30.18,4.88 30.18,16
1.35V on InLayer2 (Signal): 5.95,13.09 5.95,14.09 7.37,14.09 7.37,13.09
3.3V on InLayer3 (PWR): 10.24,0.97 10.24,1.83 11.49,1.83 11.49,0.97
3.3V on InLayer3 (PWR): 8.76,1.83 10.66,1.83 10.66,0.3 8.75,0.3
3.3V on InLayer3 (PWR): 9.98,4.1 15.1,4.1 15.1,1.48 9.98,1.48
GND on Top Layer: -0.01,15.99 0,15.98 0,0 40,0 40,16
GND on Top Layer: 26.22,3.43 26.22,4.82 27.6,4.82 27.6,3.43
GND on Bottom Layer: 5.72,1.1 5.72,1.8 7.19,1.8 7.19,1.1
GND on Bottom Layer: 8.46,1.09 8.46,1.79 9.96,1.79 9.96,1.09
GND on Bottom Layer: -0.01,15.99 0,15.98 0,0 40,0 40,16
GND on InLayer1 (GND): -0.01,15.99 0,15.98 0,0 40,0 40,16
GND on InLayer2 (Signal): -0.01,15.99 0,15.98 0,0 40,0 40,16
GND on InLayer2 (Signal): 22.96,7.05 22.96,7.62 25.09,7.62 25.09,7.05
GND on InLayer3 (PWR): -0.01,15.99 0,15.98 0,0 40,0 40,16
GND on InLayer4 (GND): -0.01,15.99 0,15.98 0,0 40,0 40,16
NetL1_1 on Top Layer: 9.17,14.36 9.17,15.73 10.18,15.73 10.18,14.36
USB_5V on Top Layer: 4.02,4.6 4.02,5.38 5.88,5.38 5.88,4.6
USB_5V on InLayer2 (Signal): 4.36,5.38 5.72,5.38 5.72,3.27 8.85,3.27 8.85,1.05 4.82,1.05 4.82,4.59 4.36,4.59
USB_5V on InLayer3 (PWR): 4.02,4.58 4.02,5.4 5.98,5.4 5.98,4.58
USB_5V on InLayer3 (PWR): 5.03,16 9.13,16 9.12,14.45 8.09,14.44 8.08,12.26 5.05,12.26

Small or netless copper shapes (teardrops, artwork), in the pictures only: 3 on Top Layer, 11 on Bottom Layer, 1 on InLayer2 (Signal)

## Text on the board
Bottom Overlay: V1.5 20210810 | EVEREST
Top Overlay: Tx | Rx | OK
